# Altium PCB GE21_M1_pku_f100.PcbDoc (part 19 of 19)
Units mm, origin at the board's own origin, x right, y up, seen from the top; angles counter-clockwise.
Board outline 423.9 x 668.59 mm, 8 copper layers (Top Layer, Signal 1, DGNG1, POWER, AGND, DGND2, Signal 2, Bottom Layer), stack 1.03 mm thick; 171 components, 336 nets, 2040 pads, 4872 vias.
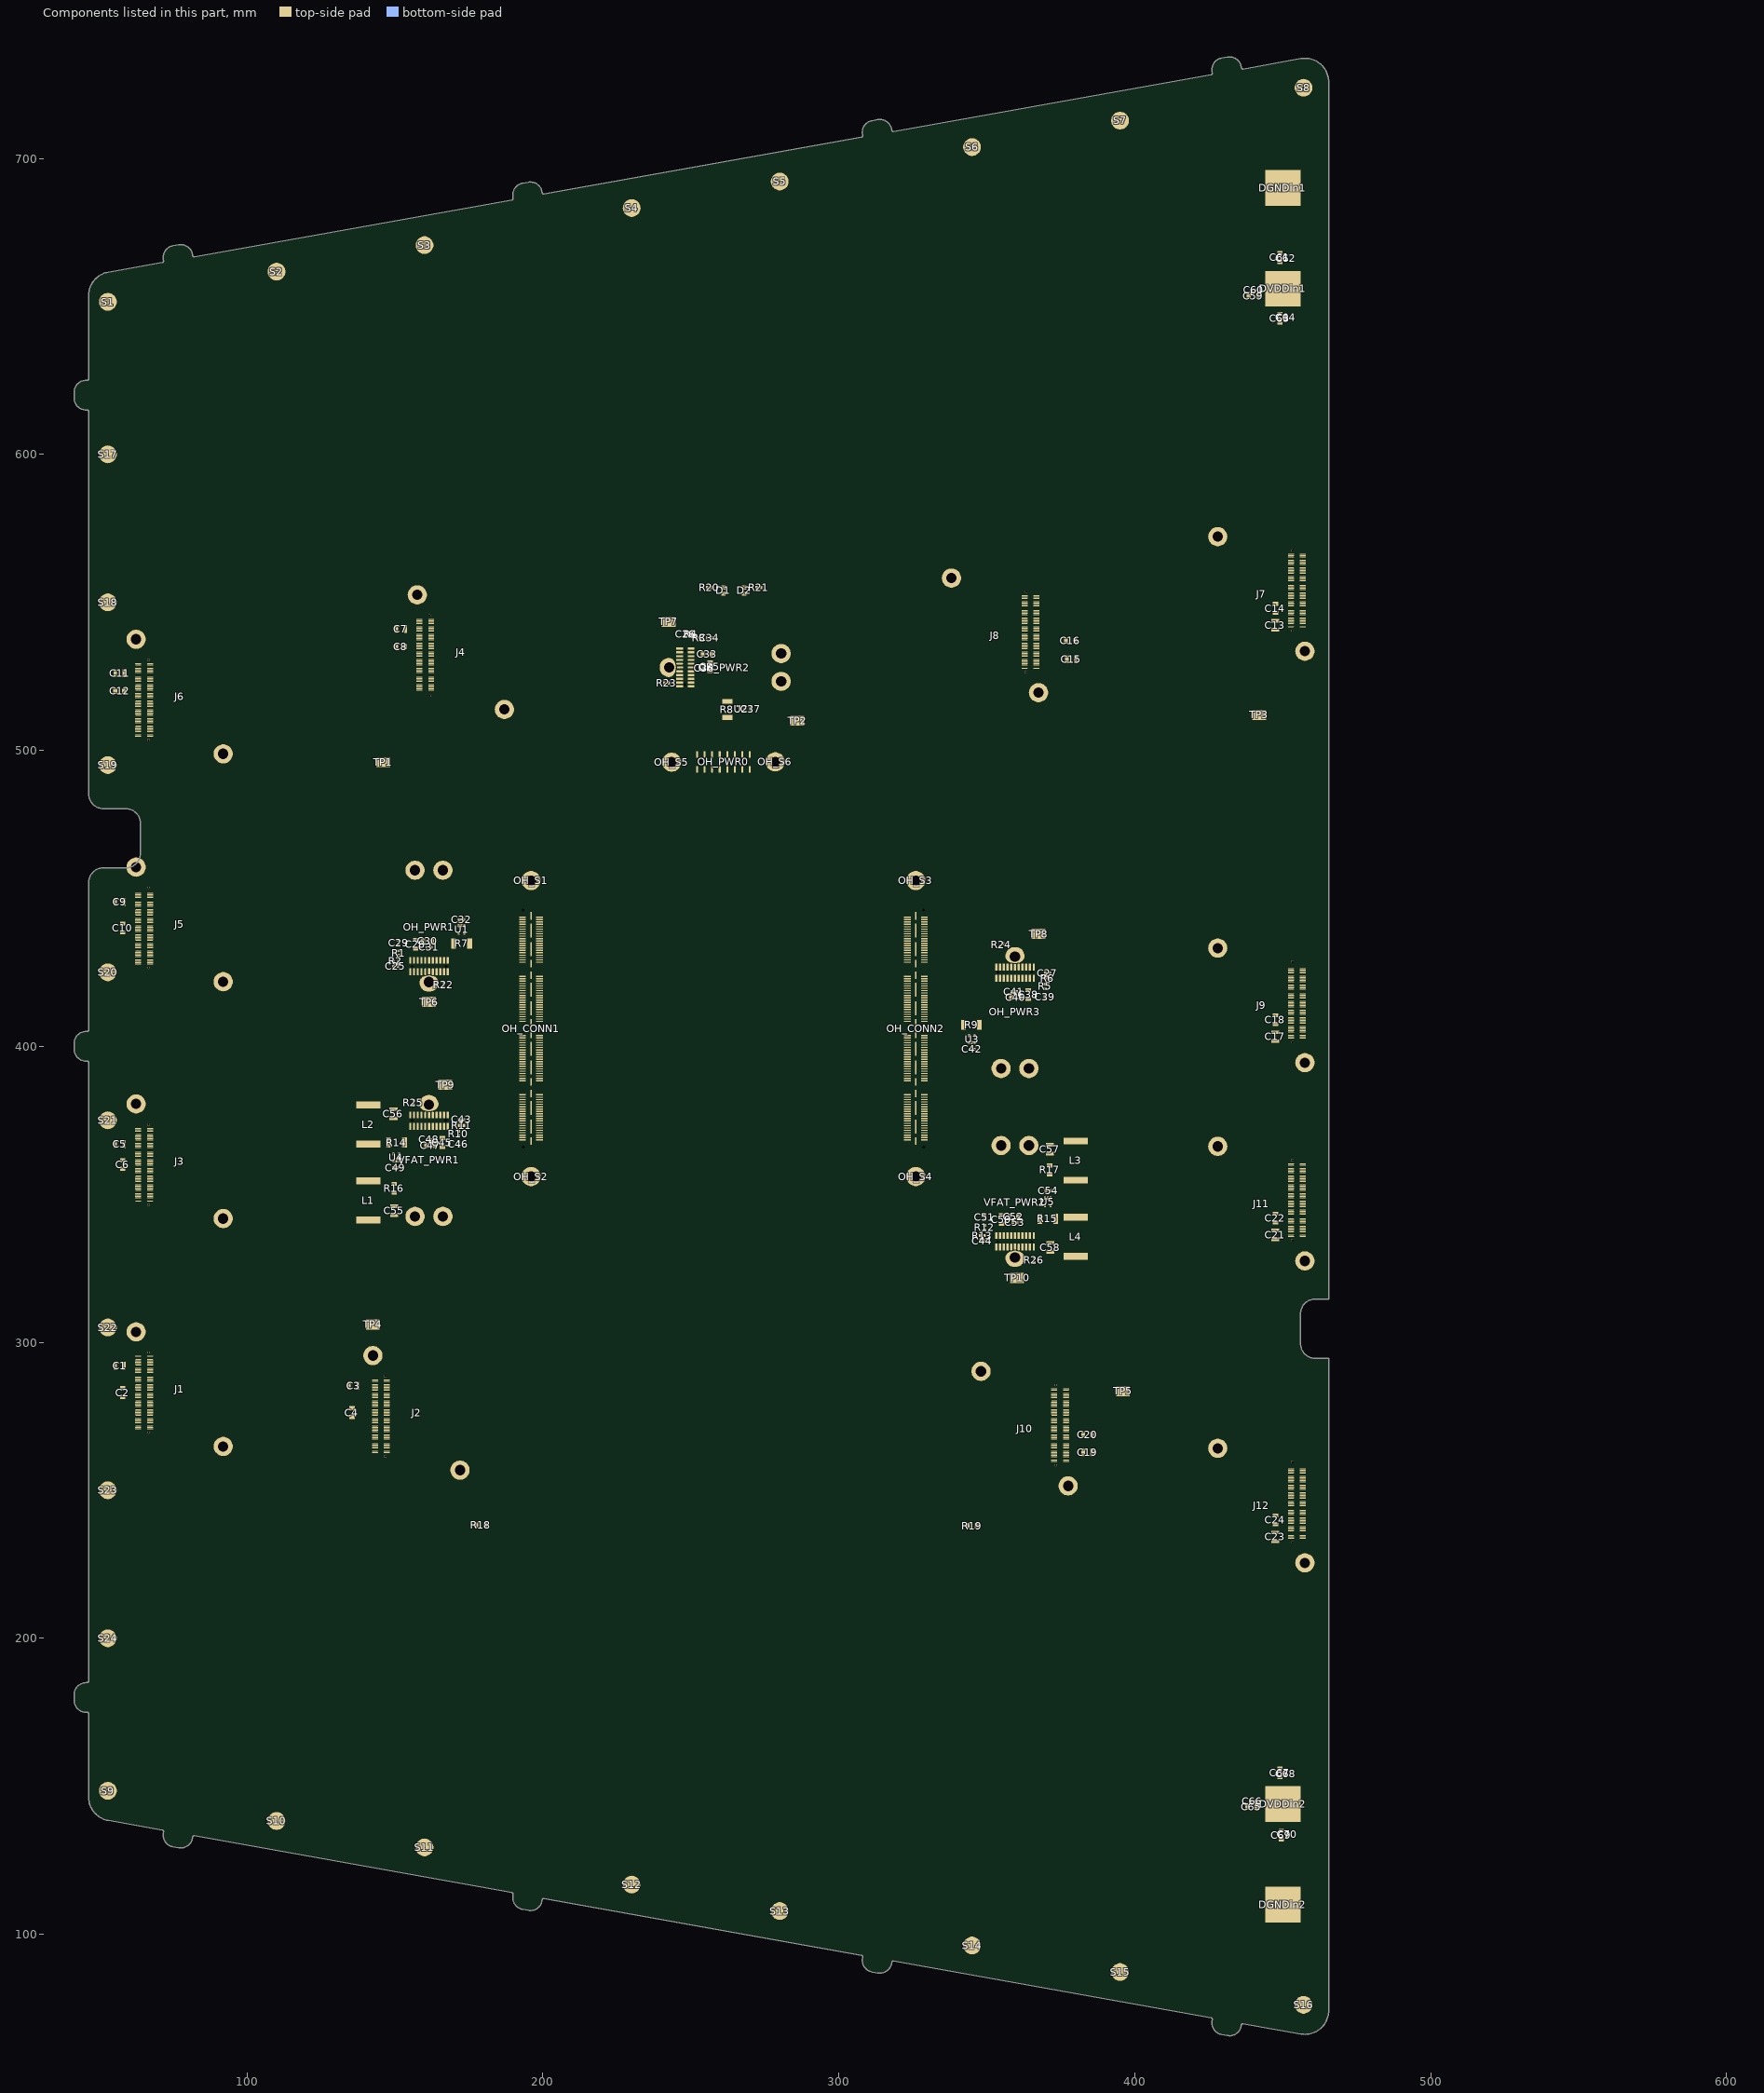
[diagram p25: the components of this part, seen from the top]

## Other copper
Top Layer:
  text "Layer" at 485.215,307.28 h1.52
  text "Name" at 495.626,307.28 h1.52
  text "Material" at 519.242,307.28 h1.52
  text "Thickness" at 541.08,307.28 h1.52
  text "Constant" at 557.586,307.28 h1.52
  text "Board Layer Stack" at 572.06,307.28 h1.52
  text "1" at 485.215,304.232 h1.52
  text "Top Overlay" at 495.626,304.232 h1.52
  text "2" at 485.215,301.184 h1.52
  text "Top Solder" at 495.626,301.184 h1.52
  text "Solder Resist" at 519.242,301.184 h1.52
  text "0.010mm" at 541.08,301.184 h1.52
  text "3.5" at 557.586,301.184 h1.52
  text "3" at 485.215,298.136 h1.52
  text "Top Layer" at 495.626,298.136 h1.52
  text "Copper" at 519.242,298.136 h1.52
  text "0.035mm" at 541.08,298.136 h1.52
  text "4" at 485.215,295.088 h1.52
  text "Dielectric 1" at 495.626,295.088 h1.52
  text "FR-4" at 519.242,295.088 h1.52
  text "0.160mm" at 541.08,295.088 h1.52
  text "4.2" at 557.586,295.088 h1.52
  text "5" at 485.215,292.04 h1.52
  text "Signal 1" at 495.626,292.04 h1.52
  text "Copper" at 519.242,292.04 h1.52
  text "0.018mm" at 541.08,292.04 h1.52
  text "6" at 485.215,288.992 h1.52
  text "Dielectric 2" at 495.626,288.992 h1.52
  text "0.130mm" at 541.08,288.992 h1.52
  text "4.2" at 557.586,288.992 h1.52
  text "7" at 485.215,285.944 h1.52
  text "DGNG1" at 495.626,285.944 h1.52
  text "Copper" at 519.242,285.944 h1.52
  text "0.018mm" at 541.08,285.944 h1.52
  text "8" at 485.215,282.896 h1.52
  text "Dielectric 3" at 495.626,282.896 h1.52
  text "0.080mm" at 541.08,282.896 h1.52
  text "4.2" at 557.586,282.896 h1.52
  text "9" at 485.215,279.848 h1.52
  text "POWER" at 495.626,279.848 h1.52
  text "Copper" at 519.242,279.848 h1.52
  text "0.036mm" at 541.08,279.848 h1.52
  text "10" at 485.215,276.8 h1.52
  text "Dielectric 4" at 495.626,276.8 h1.52
  text "0.076mm" at 541.08,276.8 h1.52
  text "4.2" at 557.586,276.8 h1.52
  text "11" at 485.215,273.752 h1.52
  text "AGND" at 495.626,273.752 h1.52
  text "Copper" at 519.242,273.752 h1.52
  text "0.036mm" at 541.08,273.752 h1.52
  text "12" at 485.215,270.704 h1.52
  text "Dielectric 5" at 495.626,270.704 h1.52
  text "0.080mm" at 541.08,270.704 h1.52
  text "4.2" at 557.586,270.704 h1.52
  text "13" at 485.215,267.656 h1.52
  text "DGND2" at 495.626,267.656 h1.52
  text "Copper" at 519.242,267.656 h1.52
  text "0.018mm" at 541.08,267.656 h1.52
  text "14" at 485.215,264.608 h1.52
  text "Dielectric 6" at 495.626,264.608 h1.52
  text "0.130mm" at 541.08,264.608 h1.52
  text "4.2" at 557.586,264.608 h1.52
  text "15" at 485.215,261.56 h1.52
  text "Signal 2" at 495.626,261.56 h1.52
  text "Copper" at 519.242,261.56 h1.52
  text "0.018mm" at 541.08,261.56 h1.52
  text "16" at 485.215,258.512 h1.52
  text "Dielectric 7" at 495.626,258.512 h1.52
  text "0.160mm" at 541.08,258.512 h1.52
  text "4.2" at 557.586,258.512 h1.52
  text "17" at 485.215,255.464 h1.52
  text "Bottom Layer" at 495.626,255.464 h1.52
  text "Copper" at 519.242,255.464 h1.52
  text "0.035mm" at 541.08,255.464 h1.52
  text "18" at 485.215,252.416 h1.52
  text "Bottom Solder" at 495.626,252.416 h1.52
  text "Solder Resist" at 519.242,252.416 h1.52
  text "0.010mm" at 541.08,252.416 h1.52
  text "3.5" at 557.586,252.416 h1.52
  text "19" at 485.215,249.368 h1.52
  text "Bottom Overlay" at 495.626,249.368 h1.52
  text "POSITION HOLES: / 1. OH POWER 2 / 2. OH SAMTEC160 4 / 3. FEAST 10  / 4. VFAT 24 / STANDOFFS 6+15+24 / differential pairs 576" at 54.8,1.3 h1.52
POWER (plane layer: these items are gaps in the copper):
  lines w0.254: 188.75,451.25 188.75,451.25 ; 258.25,513.5 258.25,513.5
  lines w0.381: 45,174 48,174 48,186 45,186 ; 45,394 48,394 48,406 45,406 ; 45,614 48,614 48,626 45,626 ; 61.5,289 107.5,289 107.5,322.5 139,322.5 139,277 133,277 133,315 115,315 115,283 61.5,283 61.5,295.5 100,295.5 100,366 61.5,366 ; 61.5,446 100,446 100,372.5 61.5,372.5 61.5,360 100,360 ; 61.5,523 100,523 100,452.5 61.5,452.5 61.5,451.5 61.5,440 100,440 ; 70,135 70,137 83,137 83,132 ; 70,665 70,663 83,663 83,668 ; 100,517 61.5,517 61.5,529.5 100,529.5 100,560 150,560 150,544.5 160,544.5 160,532 137.5,532 137.5,547.5 115,547.5 115,400 145.5,400 147,398.5 147,378.5 145.5,377 136.5,377 135,378.5 135,391 133.5,392.5 115,392.5 115,330 ; 139,281 151,281 151,330 147,330 147,343 145.5,344.5 136.5,344.5 135,343 135,330 107.5,330 107.5,553.5 ; 160,538 143.5,538 143.5,553.5 115,553.5 ; 172.5,438 172.5,426.75 ; 188,114 188,116 201,116 201,111 ; 188,686 188,684 201,684 201,689 ; 266,490 325.5,490 335,480.5 335,406.5 333.75,405.25 320.25,405.25 318.5,403.5 318.5,388.5 320.25,386.75 341.75,386.75 342.75,387.75 342.75,402 345,404.25 ; 266,502 333,502 345,490 345,430.75 345,404.25 ; 266,513.5 258.25,513.5 ; 306,93 306,95 319,95 319,90 ; 306,707 306,705 319,705 319,710 ; 345,428 359,428 359,404.25 345,404.25 ; 371.5,266 381.5,266 381.5,312.5 415,312.5 415,240 458.5,240 ; 373.5,534 380,534 380,512.5 415,512.5 415,320 386,320 386,330.75 385,331.75 375,331.75 374,330.75 374,290.5 371.5,288 371.5,259.5 387,259.5 387,271.5 388,272.5 388,306.5 407.5,306.5 407.5,233.5 458.5,233.5 458.5,246 422.5,246 422.5,342 458.5,342 ; 407.5,320 407.5,376.5 386,376.5 386,367 384,365 376,365 374,367 374,386.25 407.5,386.25 407.5,506 373.5,506 373.5,540 386,540 386,518.75 415,518.75 415,554 458.5,554 458.5,541.5 429.25,541.5 429.25,506 422.5,506 ; 422.5,335.5 458.5,335.5 458.5,348 422.5,348 422.5,409 458.5,409 ; 422.5,402.5 458.5,402.5 458.5,415 422.5,415 422.5,548 458.5,548 ; 424,72 424,74 437,74 437,69 ; 424,728 424,726 437,726 437,731 ; 451.75,561.27 451.75,561.75 ; 107.5,553.5 115,553.5 ; 107.5,553.5 107.5,553.5 ; 115,553.5 115,553.5 ; 150.5,365 149.5,364 147.75,364 146.75,363 146.75,353 145.75,352 136,352 135,353 135,369.5 136,370.5 150.5,370.5 ; 150.5,365 150.5,365 ; 150.5,365 151.5,364 159.25,364 160.5,365.25 160.5,377.75 159.75,378.5 154.25,378.5 153.5,377.75 153.5,373.5 150.5,370.5 ; 150.5,365 150.5,370.5 ; 172.5,426.75 169.75,424 162,424 162,438 175.5,438 188.75,451.25 243.75,451.25 248.75,456.25 248.75,502 258.25,502 ; 172.5,426.75 200.75,426.75 202.25,428.25 202.25,441 205,443.75 258.25,443.75 ; 258.25,443.75 313.75,443.75 ; 258.25,443.75 313.75,443.75 ; 258.25,443.75 258.25,502 ; 258.25,502 258.25,513.5 ; 258.25,513.5 254.75,517 245,517 245,527.5 266,527.5 266,455 269.5,451.5 330,451.5 332.5,449 332.5,428.5 330.75,426.75 320.5,426.75 318.75,428.5 318.75,438.75 313.75,443.75 ; 370.75,340.5 372.5,338.75 384.25,338.75 385.75,340.25 385.75,357.25 385,358 375.5,358 374.75,357.25 374.75,345.75 374.25,345.25 371.5,345.25 370.75,344.5 ; 370.75,340.5 370.75,344.5 ; 370.75,340.5 367.75,337.5 367.75,331.25 360.25,331.25 360.25,344.5 361,345.25 370,345.25 370.75,344.5
AGND (plane layer: these items are gaps in the copper):
  lines w0.254: 54,430 54,430 ; 461,320 461,320
  lines w0.381: 51.5,504 55,500.5 55,490 85,490 85,455 54,455 54,430 56,428 56,422 54,420 54,380 56,378 56,372 54,370 54,310 56,308 56,302 54,300 54,255 56,253 56,247 54,245 54,215 179,215 179,585 54.5,585 54.5,530.5 51.5,527.5 51.5,504 ; 345,190 461,190 461,285.5 430,285.5 430,320 461,320 461,610 345,610 345,190

## Silkscreen, mask and mechanical layers (free items; w line width, h text height)
Top Overlay:
  lines w0.254: 46.5,139.637 465.5,64.626 465.5,735.374 46.5,660.363 46.5,139.637
  text "DGND" at 412,686 h6
  text "DVDD" at 412,654 h6
  text "GEB21 prototype Board" at 171.5,649 h4
  text "M1  Ver1.0" at 171.5,642 h4
  text "Peking University" at 172,631.5 h4
  text "Zhihua Xue , Ke Wang, Dayong Wang, Yong Ban" at 171,623.5 h4
  text "20181022" at 171,615.5 h4
  text "VFAT07" at 413.5,580 h4
  text "VFAT08" at 322.5,567 h4
  text "DVDD" at 251.5,560.5 h3
  text "2.5V" at 266.5,560.5 h3
  text "VFAT04" at 178,559 h4
  text "OH POWER 1.8V" at 238,546.5 h4
  text "VFAT06" at 84.5,545.5 h4
  text "PG1.8V" at 234.5,531.5 h3 r90
  text "DGND" at 291.5,507.25 h3
  text "DGND" at 435.5,501.5 h3
  text "DGND" at 152,493 h3
  text "OH POWER 1.5V" at 129,476 h4
  text "VFAT05" at 82.5,468 h4
  text "OH POWER 2.5V" at 344,449 h4
  text "VFAT09" at 413,441.5 h4
  text "PG2.5V" at 347,441 h3
  text "OPTOHYBRID" at 233,416 h6
  text "PG1.5V" at 152,408 h3
  text "VFAT POWER 1.2V" at 130,396 h4
  text "VFAT03" at 82.5,388 h4
  text "PG1.2V" at 172,386.5 h3
  text "VFAT POWER 1.2V" at 349,379 h4
  text "VFAT11" at 414.5,376.5 h4
  text "PG1.2V" at 351,316.5 h3
  text "DGND" at 136.5,313 h3
  text "VFAT01" at 83.5,311 h4
  text "VFAT02" at 161,302.5 h4
  text "VFAT10" at 335.5,299.5 h4
  text "DGND" at 390.5,288 h3
  text "VFAT12" at 414,273 h4
  text "DVDD" at 410.5,141.5 h6
  text "DGND" at 410.5,108 h6
Mechanical 1:
  drawing of 152 lines, arcs and shapes, not listed
Mechanical 2:
  drawing of 197 lines, arcs and shapes, not listed
Drill Drawing:
  circle w0.254: c56.169,41.747 r0.847
  circle w0.254: c56.169,34.127 r0.508
  circle w0.254: c56.169,34.127 r0.847
  lines w0.254: 55.323,26.507 56.169,25.66 57.016,26.507 56.169,27.353 55.323,26.507 ; 55.323,31.163 57.016,31.163 56.169,29.47 55.323,31.163 ; 55.323,37.513 55.746,37.513 55.746,37.09 56.593,37.09 56.593,37.513 57.016,37.513 57.016,38.36 56.593,38.36 56.593,38.783 55.746,38.783 55.746,38.36 55.323,38.36 55.323,37.513 ; 55.323,44.71 55.323,45.133 55.746,45.557 55.323,45.98 55.323,46.403 55.746,46.403 56.169,45.98 56.593,46.403 57.016,46.403 57.016,45.98 56.593,45.557 57.016,45.133 57.016,44.71 56.593,44.71 56.169,45.133 55.746,44.71 55.323,44.71 ; 55.323,50.213 57.016,50.213 56.169,48.52 55.323,50.213 ; 55.323,52.33 56.169,52.753 57.016,52.33 56.593,53.177 57.016,54.023 56.169,53.6 55.323,54.023 55.746,53.177 55.323,52.33 ; 55.323,56.563 55.746,56.563 56.169,56.14 56.593,56.563 57.016,56.563 56.593,56.987 57.016,57.41 56.593,57.41 56.169,57.833 55.746,57.41 55.323,57.41 55.746,56.987 55.323,56.563 ; 55.323,59.95 57.016,59.95 57.016,61.643 55.323,61.643 55.323,59.95 ; 55.323,63.76 57.016,63.76 57.016,65.453 55.323,65.453 55.323,63.76 ; 55.323,67.57 55.323,67.993 55.746,68.417 55.323,68.84 55.323,69.263 55.746,69.263 56.169,68.84 56.593,69.263 57.016,69.263 57.016,68.84 56.593,68.417 57.016,67.993 57.016,67.57 56.593,67.57 56.169,67.993 55.746,67.57 55.323,67.57 ; 55.661,30.825 56.677,30.825 56.169,29.809 55.661,30.825 ; 55.661,45.049 55.661,45.303 55.915,45.557 55.661,45.811 55.661,46.065 55.915,46.065 56.169,45.811 56.423,46.065 56.677,46.065 56.677,45.811 56.423,45.557 56.677,45.303 56.677,45.049 56.423,45.049 56.169,45.303 55.915,45.049 55.661,45.049 ; 55.661,64.099 56.677,64.099 56.677,65.115 55.661,65.115 55.661,64.099
  lines w0.381: 53.804,24.517 335.767,24.517 ; 53.804,70.237 335.767,70.237 ; 67.796,20.707 67.796,74.047 ; 84.302,20.707 84.302,74.047 ; 113.503,20.707 113.503,74.047 ; 126.352,20.707 126.352,74.047 ; 144.991,20.707 144.991,74.047 ; 183.079,20.707 183.079,74.047 ; 198.062,20.707 198.062,74.047 ; 217.005,20.707 217.005,74.047 ; 238.69,20.707 238.69,74.047 ; 266.876,20.707 266.876,74.047 ; 300.75,20.707 300.75,74.047 ; 53.804,20.707 335.767,20.707 335.767,74.047 53.804,74.047 53.804,20.707
  text "Symbol" at 56.09,71.38 h1.83
  text "Count" at 68.939,71.38 h1.83
  text "Hole Size" at 85.445,71.38 h1.83
  text "Plated" at 114.646,71.38 h1.83
  text "Hole Type" at 127.495,71.38 h1.83
  text "Drill Layer Pair" at 146.134,71.38 h1.83
  text "Via/Pad" at 184.222,71.38 h1.83
  text "Pad Shape" at 199.205,71.38 h1.83
  text "Description" at 218.148,71.38 h1.83
  text "Template" at 239.833,71.38 h1.83
  text "Hole Tolerance (+)" at 268.019,71.38 h1.83
  text "Hole Tolerance (-)" at 301.893,71.38 h1.83
  text "2" at 68.939,67.57 h1.52
  text "1.650mm (64.96mil)" at 85.445,67.57 h1.52
  text "NPTH" at 114.646,67.57 h1.52
  text "Round" at 127.495,67.57 h1.52
  text "Top Layer - Bottom Layer" at 146.134,67.57 h1.52
  text "Pad" at 184.222,67.57 h1.52
  text "Rounded" at 199.205,67.57 h1.52
  text "c50hn165" at 239.833,67.57 h1.52
  text "4" at 68.939,63.76 h1.52
  text "1.020mm (40.16mil)" at 85.445,63.76 h1.52
  text "NPTH" at 114.646,63.76 h1.52
  text "Round" at 127.495,63.76 h1.52
  text "Top Layer - Bottom Layer" at 146.134,63.76 h1.52
  text "Pad" at 184.222,63.76 h1.52
  text "Rounded" at 199.205,63.76 h1.52
  text "c0hn102" at 239.833,63.76 h1.52
  text "10" at 68.939,59.95 h1.52
  text "1.016mm (40.00mil)" at 85.445,59.95 h1.52
  text "NPTH" at 114.646,59.95 h1.52
  text "Round" at 127.495,59.95 h1.52
  text "Top Layer - Bottom Layer" at 146.134,59.95 h1.52
  text "Pad" at 184.222,59.95 h1.52
  text "Rounded" at 199.205,59.95 h1.52
  text "c50hn102" at 239.833,59.95 h1.52
  text "24" at 68.939,56.14 h1.52
  text "0.750mm (29.53mil)" at 85.445,56.14 h1.52
  text "NPTH" at 114.646,56.14 h1.52
  text "Round" at 127.495,56.14 h1.52
  text "Top Layer - Bottom Layer" at 146.134,56.14 h1.52
  text "Pad" at 184.222,56.14 h1.52
  text "Rounded" at 199.205,56.14 h1.52
  text "c75hn75m75" at 239.833,56.14 h1.52
  text "45" at 68.939,52.33 h1.52
  text "3.500mm (137.79mil)" at 85.445,52.33 h1.52
  text "NPTH" at 114.646,52.33 h1.52
  text "Round" at 127.495,52.33 h1.52
  text "Top Layer - Bottom Layer" at 146.134,52.33 h1.52
  text "Pad" at 184.222,52.33 h1.52
  text "Rounded" at 199.205,52.33 h1.52
  text "(Mixed)" at 239.833,52.33 h1.52
  text "254" at 68.939,48.52 h1.52
  text "0.300mm (11.81mil)" at 85.445,48.52 h1.52
  text "PTH" at 114.646,48.52 h1.52
  text "Round" at 127.495,48.52 h1.52
  text "Top Layer - Bottom Layer" at 146.134,48.52 h1.52
  text "Via" at 184.222,48.52 h1.52
  text "Rounded" at 199.205,48.52 h1.52
  text "v60h30z40x40m0mx0" at 239.833,48.52 h1.52
  text "288" at 68.939,44.71 h1.52
  text "0.200mm (7.87mil)" at 85.445,44.71 h1.52
  text "PTH" at 114.646,44.71 h1.52
  text "Round" at 127.495,44.71 h1.52
  text "Top Layer - Bottom Layer" at 146.134,44.71 h1.52
  text "Via" at 184.222,44.71 h1.52
  text "Rounded" at 199.205,44.71 h1.52
  text "v40h20m0mx0(1)" at 239.833,44.71 h1.52
  text "288" at 68.939,40.9 h1.52
  text "0.204mm (8.03mil)" at 85.445,40.9 h1.52
  text "PTH" at 114.646,40.9 h1.52
  text "Round" at 127.495,40.9 h1.52
  text "Top Layer - Bottom Layer" at 146.134,40.9 h1.52
  text "Via" at 184.222,40.9 h1.52
  text "Rounded" at 199.205,40.9 h1.52
  text "v51h20m0mx0(2)" at 239.833,40.9 h1.52
  text "438" at 68.939,37.09 h1.52
  text "0.000mm (0.00mil)" at 85.445,37.09 h1.52
  text "PTH" at 114.646,37.09 h1.52
  text "Round" at 127.495,37.09 h1.52
  text "Top Layer - Bottom Layer" at 146.134,37.09 h1.52
  text "Via" at 184.222,37.09 h1.52
  text "Rounded" at 199.205,37.09 h1.52
  text "v40m0mx0" at 239.833,37.09 h1.52
  text "780" at 68.939,33.28 h1.52
  text "0.202mm (7.95mil)" at 85.445,33.28 h1.52
  text "PTH" at 114.646,33.28 h1.52
  text "Round" at 127.495,33.28 h1.52
  text "Top Layer - Bottom Layer" at 146.134,33.28 h1.52
  text "Via" at 184.222,33.28 h1.52
  text "Rounded" at 199.205,33.28 h1.52
  text "v51h20m0mx0(1)" at 239.833,33.28 h1.52
  text "1160" at 68.939,29.47 h1.52
  text "0.201mm (7.91mil)" at 85.445,29.47 h1.52
  text "PTH" at 114.646,29.47 h1.52
  text "Round" at 127.495,29.47 h1.52
  text "Top Layer - Bottom Layer" at 146.134,29.47 h1.52
  text "(Mixed)" at 184.222,29.47 h1.52
  text "Rounded" at 199.205,29.47 h1.52
  text "(Mixed)" at 239.833,29.47 h1.52
  text "1688" at 68.939,25.66 h1.52
  text "0.203mm (7.99mil)" at 85.445,25.66 h1.52
  text "PTH" at 114.646,25.66 h1.52
  text "Round" at 127.495,25.66 h1.52
  text "Top Layer - Bottom Layer" at 146.134,25.66 h1.52
  text "Via" at 184.222,25.66 h1.52
  text "Rounded" at 199.205,25.66 h1.52
  text "v51h20m0mx0" at 239.833,25.66 h1.52
  text "4981 Total" at 68.939,21.85 h1.52